# Altium PCB Proyecto_0-Buck_Up.PcbDoc (part 1 of 5) (continued)
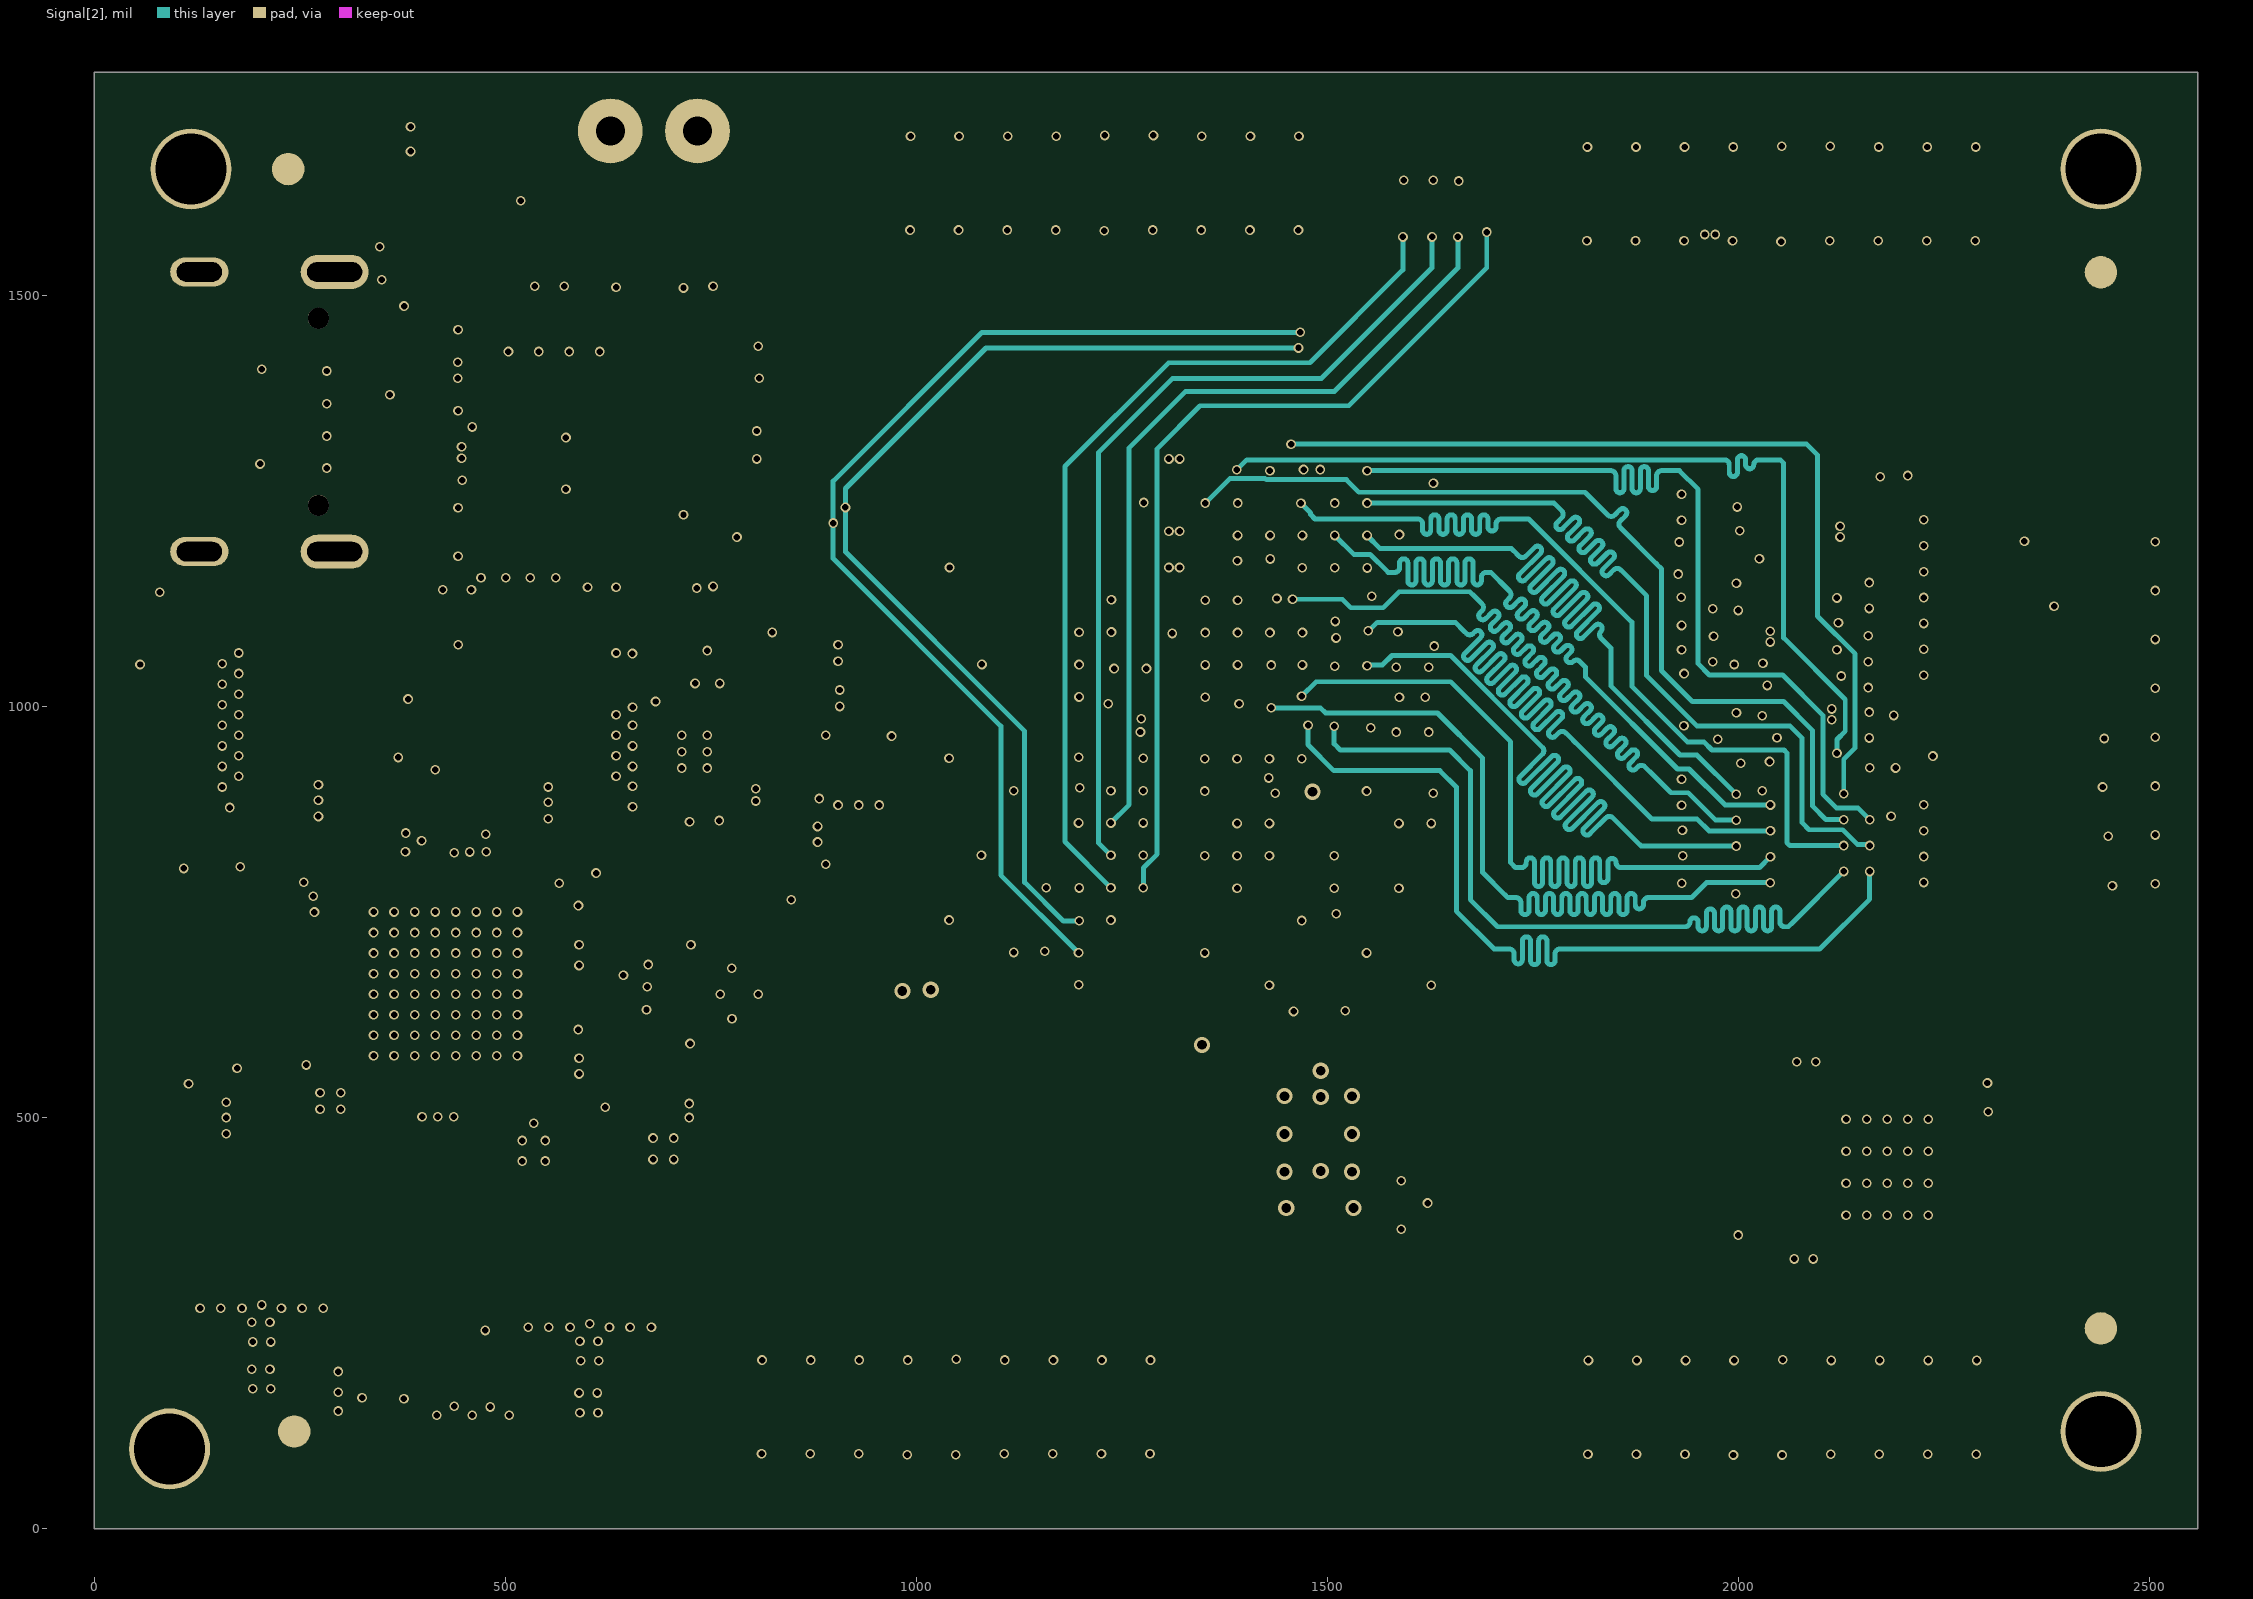
[diagram p7: Signal[2]]
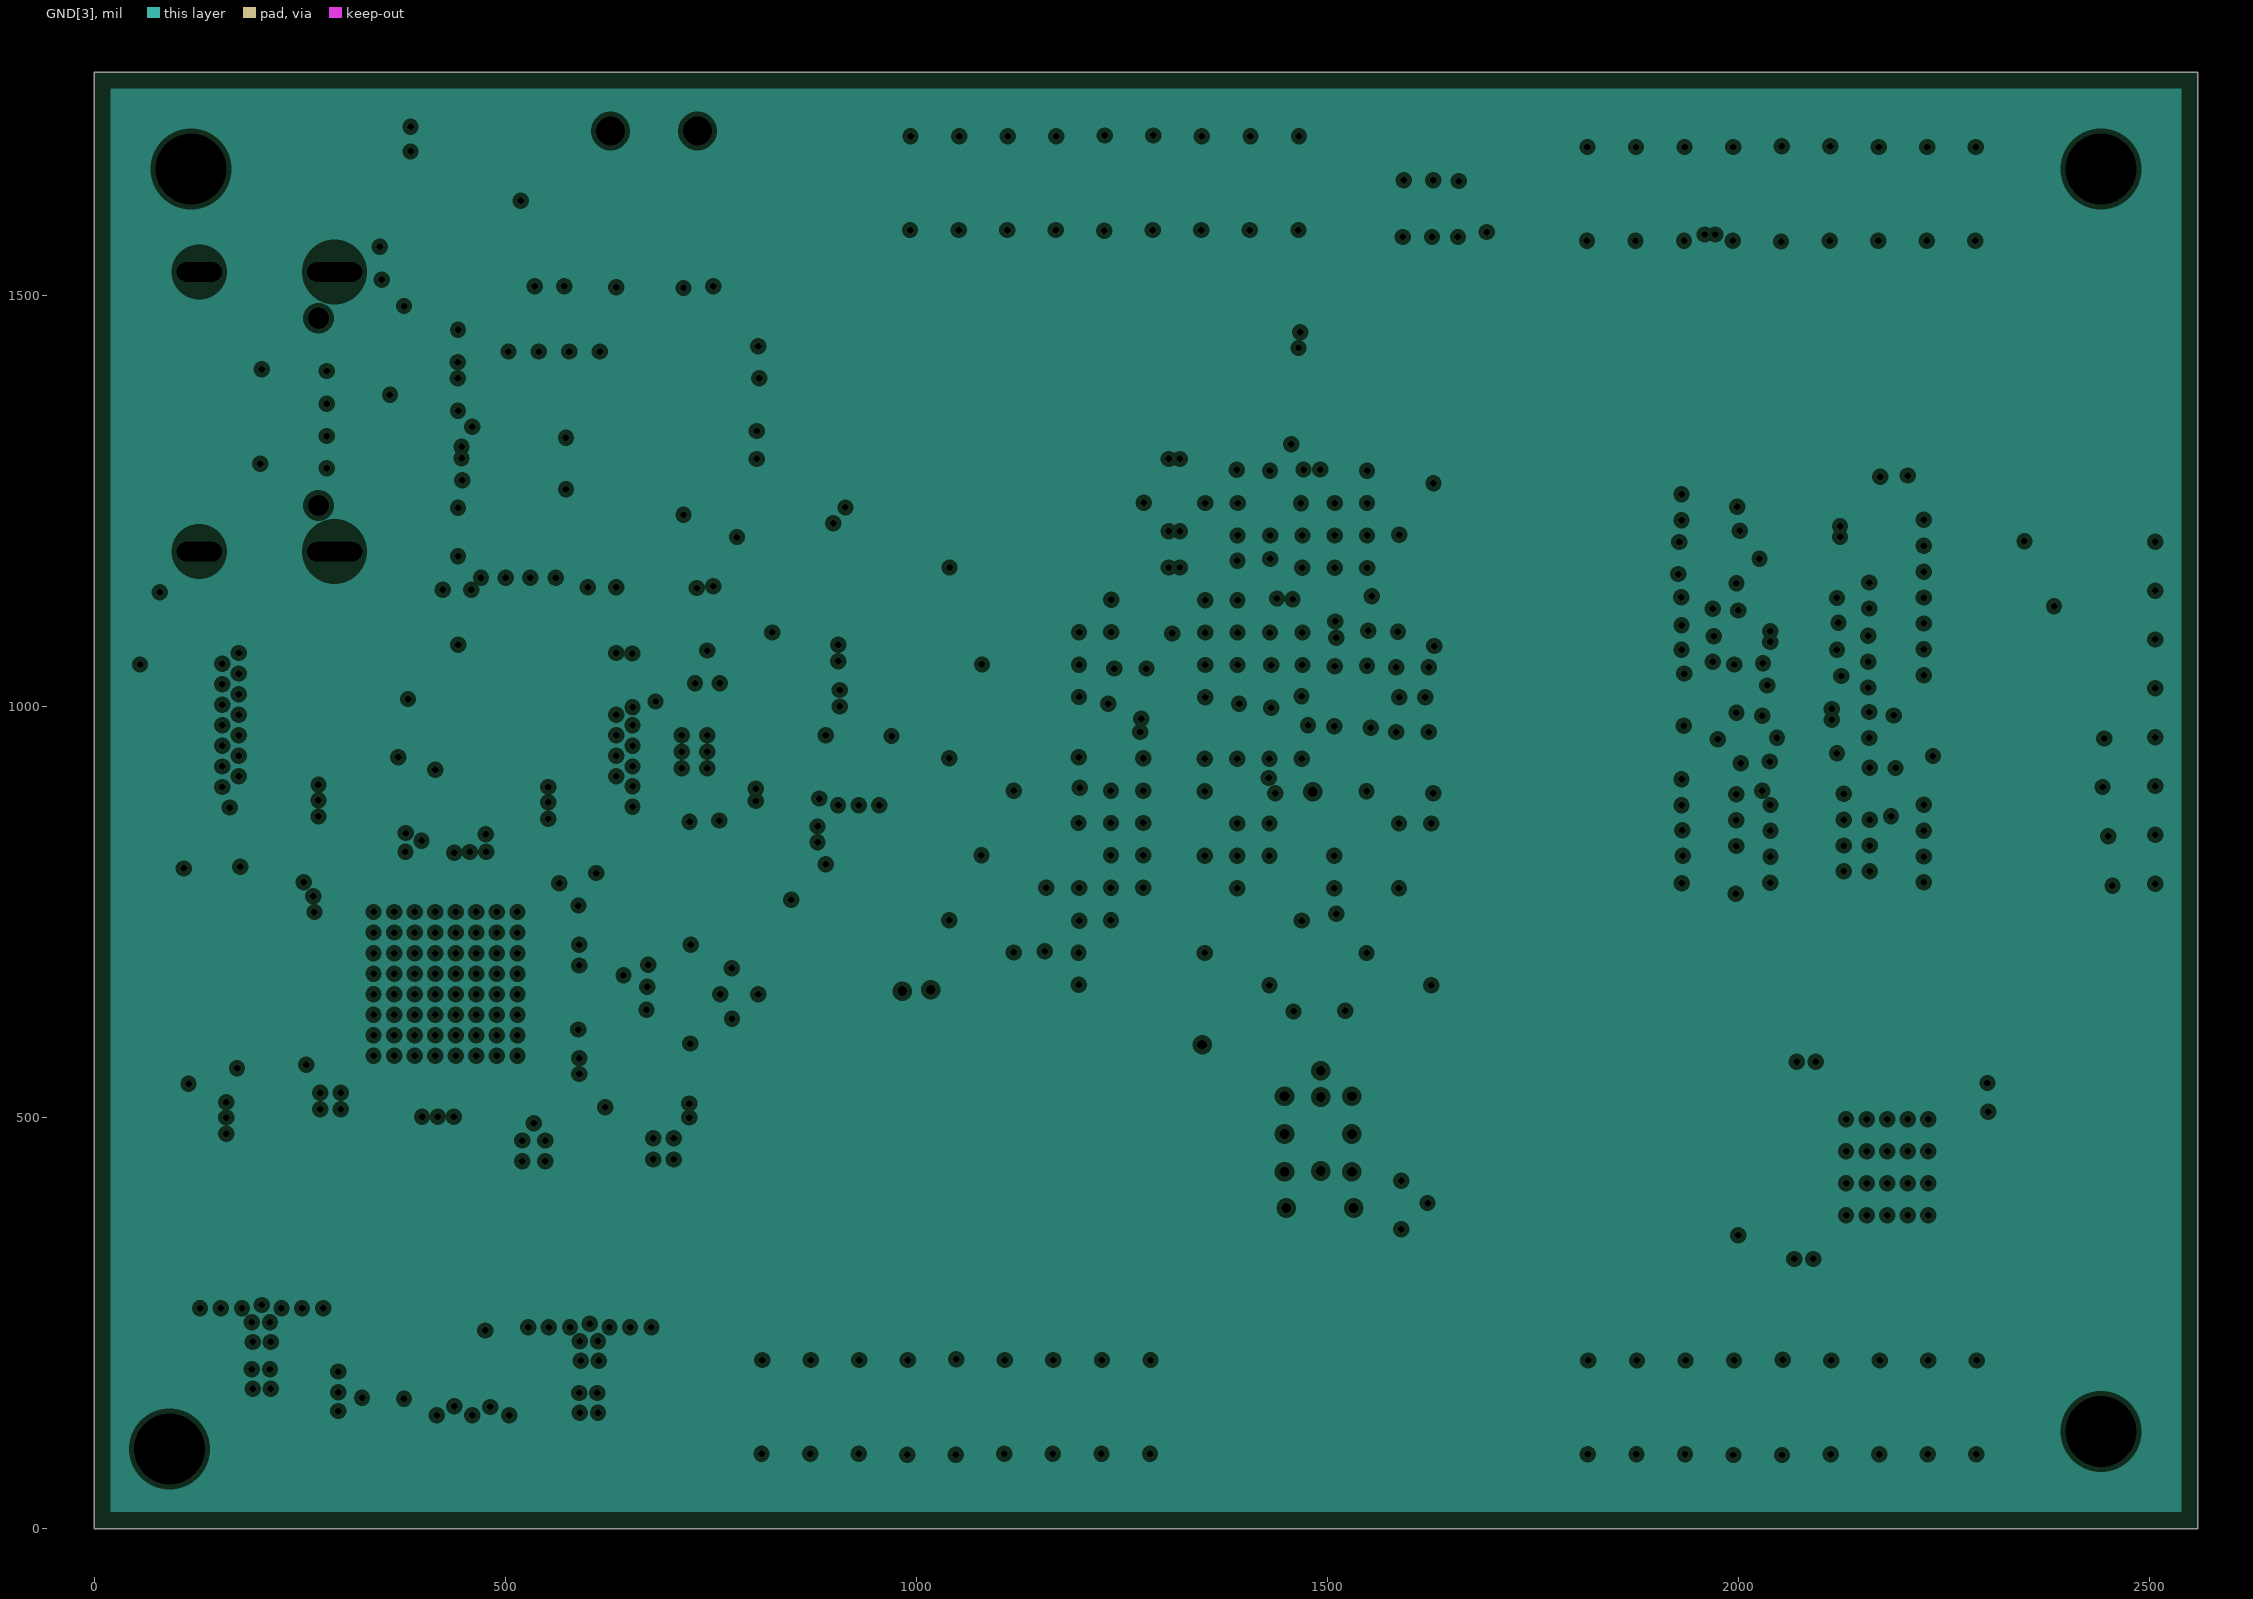
[diagram p8: GND[3], clearances drawn from the general rule]
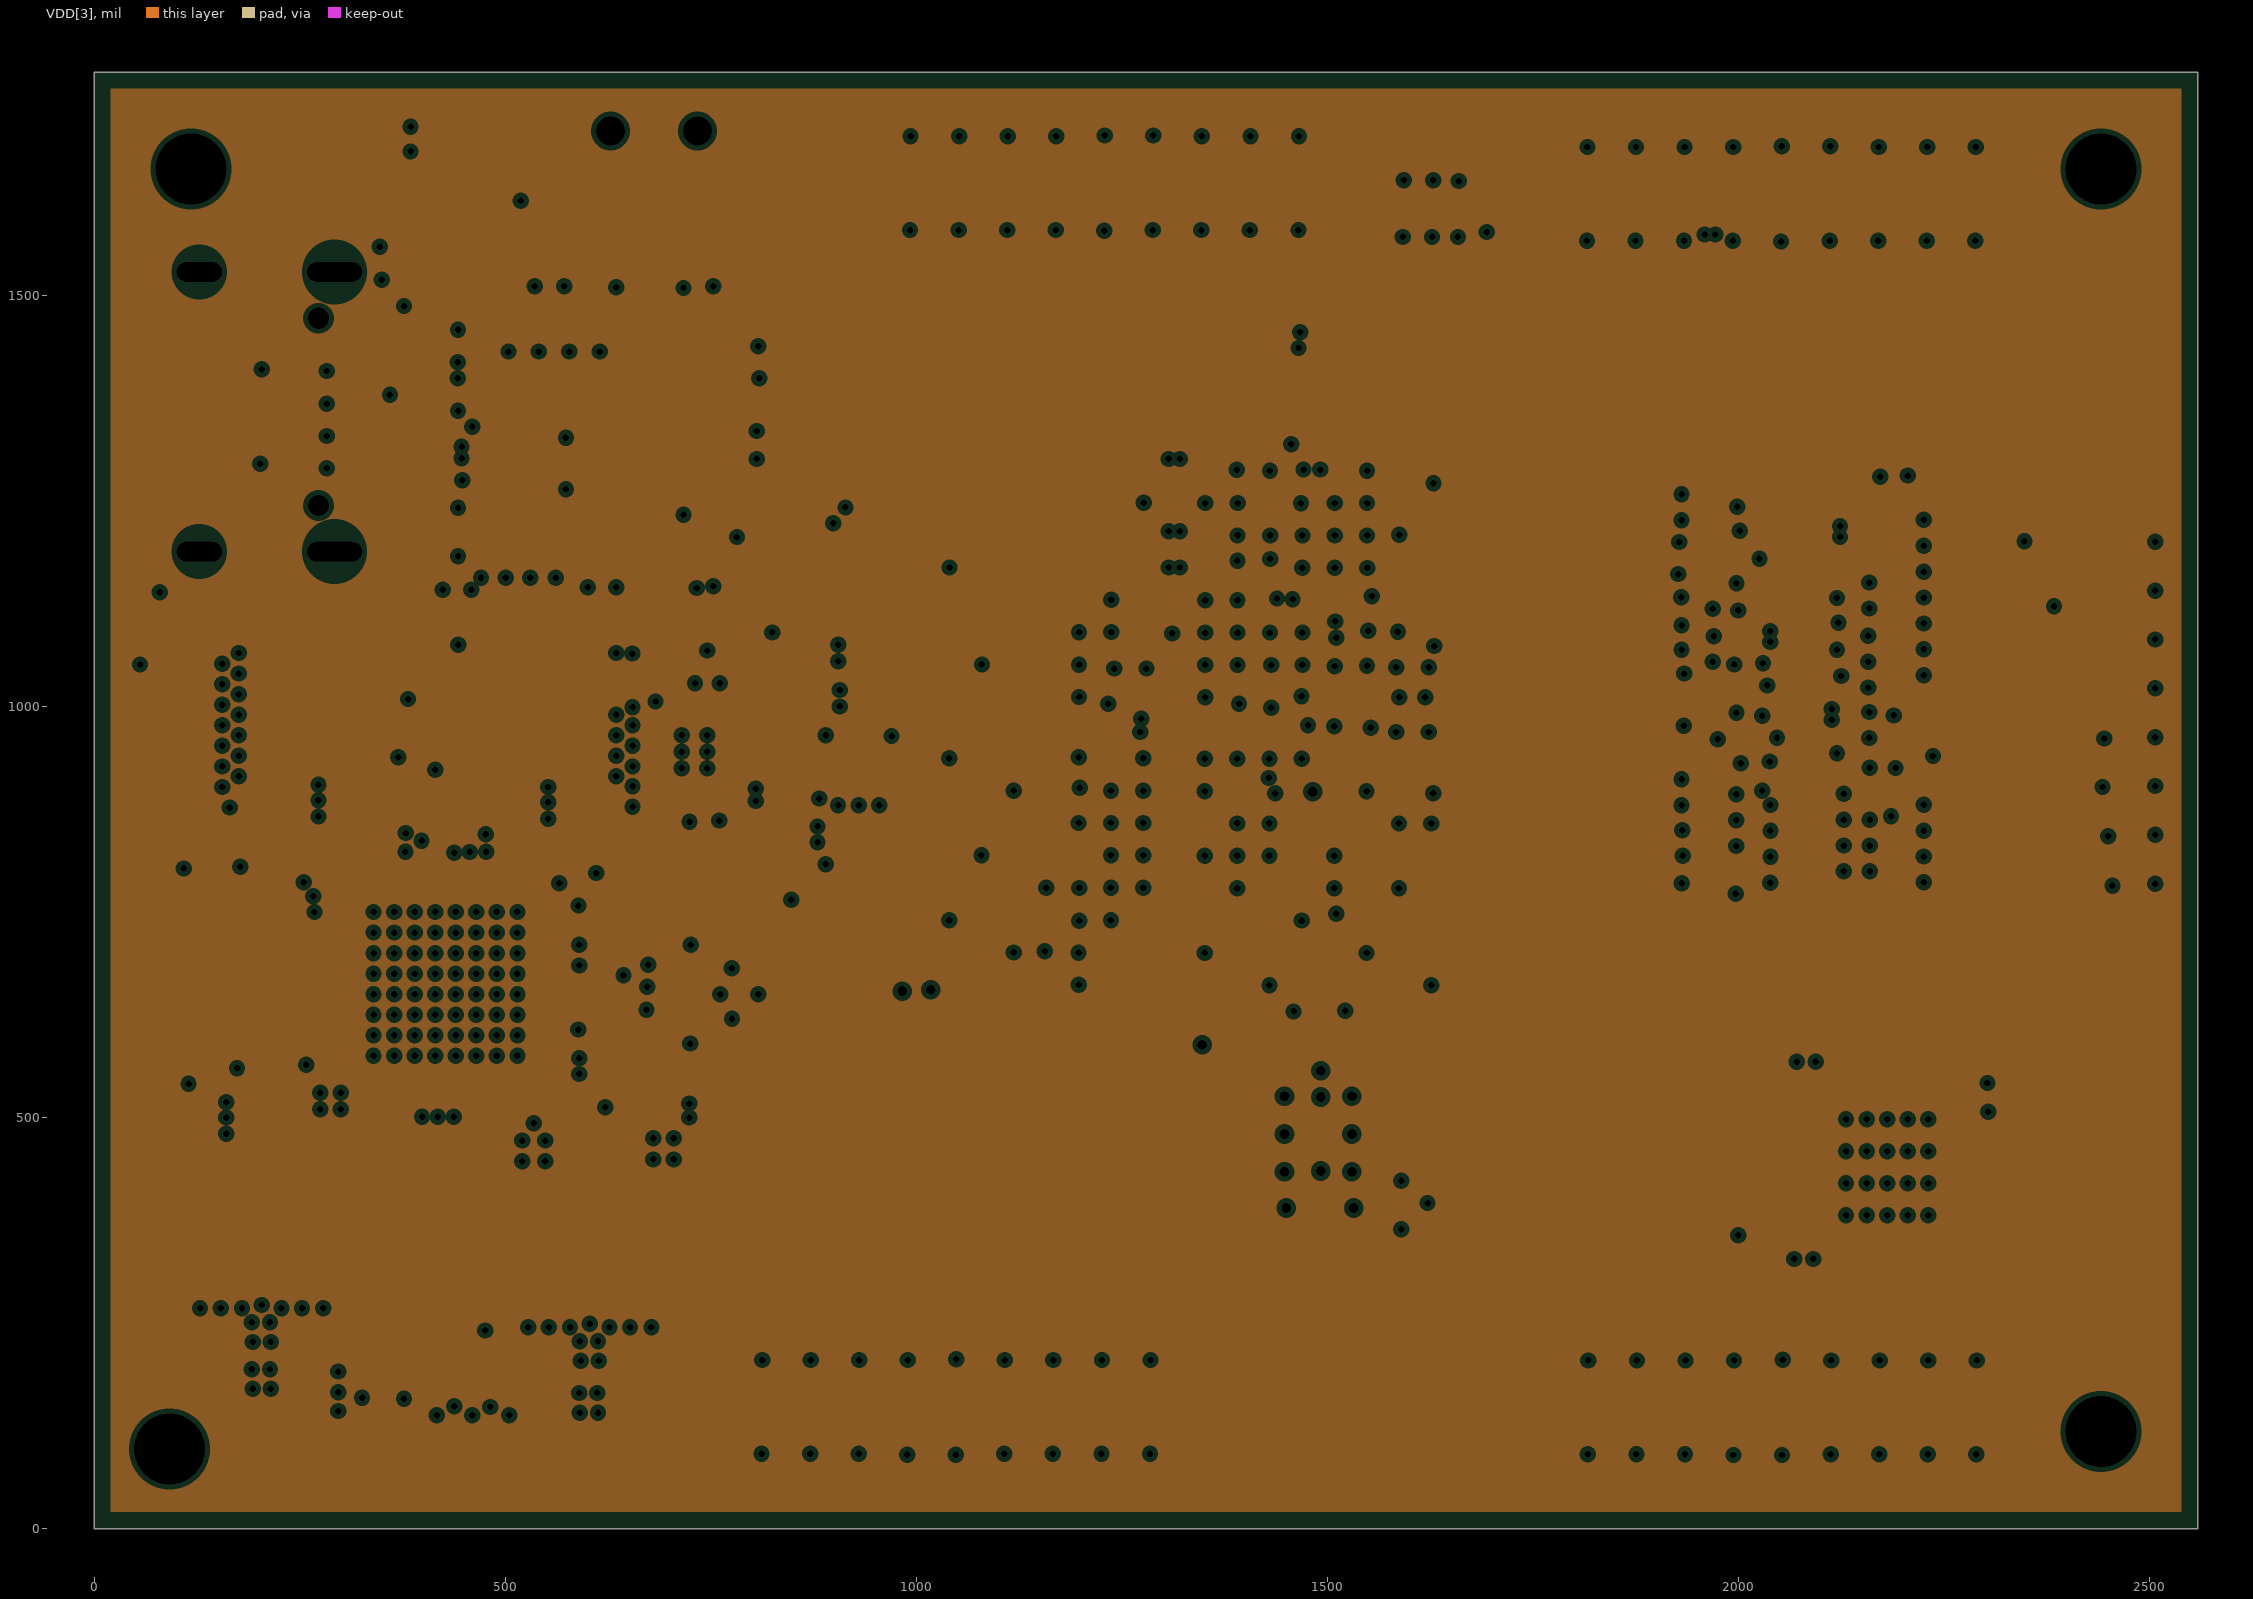
[diagram p9: VDD[3], clearances drawn from the general rule]

## Layer stack, top to bottom
Top Solder: solder mask 0.4, Solder Resist, Dk 3.5
TOP: signal copper 0.689
Dielectric 2: prepreg 4.055, PP-015, Dk 4.45
GND[1]: plane copper 1.378
Dielectric 3: core 9.055, PP-006, Dk 4.6
VDD[1]: plane copper 1.378
Dielectric 4: prepreg 7.717, PP-023, Dk 4.74
Signal[1]: signal copper 1.378
Dielectric 5: core 9.055, PP-006, Dk 4.6
GND[2]: plane copper 1.378
Dielectric 1: prepreg 7.717, PP-023, Dk 4.74
VDD[2]: plane copper 1.378
Dielectric 6: core 9.055, PP-006, Dk 4.6
Signal[2]: signal copper 1.378
Dielectric 7: prepreg 7.717, PP-023, Dk 4.74
GND[3]: plane copper 1.378
Dielectric 8: core 9.055, PP-006, Dk 4.6
VDD[3]: plane copper 1.378
Dielectric 9: prepreg 4.055, PP-015, Dk 4.45
Bottom Layer: signal copper 0.689
Bottom Solder: solder mask 0.4, Solder Resist, Dk 3.5

## Board outline
0,1614.17 0,1771.65 2559.06,1771.65 2559.06,0 0,0

## Design rules (kind name [scope] priority, off if disabled: settings)
Clearance [InNet('GND')] p1: gap=2 ignorepadtopadclearanceinfootprint=TRUE except(3: Via-Fill Via-Poly Via-Region)
Clearance "Schematic Clearance Constraint_25" [InNet('UDM')] p2: gap=20 ignorepadtopadclearanceinfootprint=TRUE
Clearance "Schematic Clearance Constraint_24" [InNet('R\A\S\')] p3: gap=20 ignorepadtopadclearanceinfootprint=FALSE
Clearance "Schematic Clearance Constraint_23" [InNet('W\E\')] p4: gap=20 ignorepadtopadclearanceinfootprint=FALSE
Clearance "Schematic Clearance Constraint_22" [InNet('LDM')] p5: gap=20 ignorepadtopadclearanceinfootprint=TRUE
Clearance "Schematic Clearance Constraint_21" [InNet('BA0')] p6: gap=2 ignorepadtopadclearanceinfootprint=FALSE
Clearance "Schematic Clearance Constraint_20" [InNet('ADD10')] p7: gap=2 ignorepadtopadclearanceinfootprint=FALSE
Clearance "Schematic Clearance Constraint_19" [InNet('ADD11')] p8: gap=2 ignorepadtopadclearanceinfootprint=FALSE
Clearance "Schematic Clearance Constraint_18" [InNet('BA2')] p9: gap=2 ignorepadtopadclearanceinfootprint=FALSE
Clearance "Schematic Clearance Constraint_17" [InNet('ADD14')] p10: gap=2 ignorepadtopadclearanceinfootprint=FALSE
Clearance "Schematic Clearance Constraint_16" [InNet('ADD4')] p11: gap=2 ignorepadtopadclearanceinfootprint=FALSE
Clearance "Schematic Clearance Constraint_15" [InNet('ADD5')] p12: gap=2 ignorepadtopadclearanceinfootprint=FALSE
Clearance "Schematic Clearance Constraint_14" [InNet('ADD6')] p13: gap=2 ignorepadtopadclearanceinfootprint=FALSE
Clearance "Schematic Clearance Constraint_12" [InNet('ADD7')] p14: gap=2 ignorepadtopadclearanceinfootprint=FALSE
Clearance "Schematic Clearance Constraint_11" [InNet('ADD0')] p15: gap=2 ignorepadtopadclearanceinfootprint=FALSE
Clearance "Schematic Clearance Constraint_10" [InNet('ADD1')] p16: gap=2 ignorepadtopadclearanceinfootprint=FALSE
Clearance "Schematic Clearance Constraint_9" [InNet('ADD2')] p17: gap=2 ignorepadtopadclearanceinfootprint=FALSE
Clearance "Schematic Clearance Constraint_8" [InNet('ADD3')] p18: gap=2 ignorepadtopadclearanceinfootprint=FALSE
Clearance "Schematic Clearance Constraint_7" [InNet('ADD8')] p19: gap=2 ignorepadtopadclearanceinfootprint=FALSE
Clearance "Schematic Clearance Constraint_6" [InNet('ADD9')] p20: gap=2 ignorepadtopadclearanceinfootprint=FALSE
Clearance "Schematic Clearance Constraint_5" [InNet('ADD12')] p21: gap=2 ignorepadtopadclearanceinfootprint=FALSE
Clearance "Schematic Clearance Constraint_3" [InNet('BA1')] p22: gap=2 ignorepadtopadclearanceinfootprint=FALSE
Clearance "Schematic Clearance Constraint_2" [InNet('ADD13')] p23: gap=2 ignorepadtopadclearanceinfootprint=FALSE
Clearance "Schematic Clearance Constraint_1" [InNetClass('DDR_DATA(8-15)')] p24: gap=2 ignorepadtopadclearanceinfootprint=TRUE
Clearance "Schematic Clearance Constraint" [InNetClass('DDR_DATA(0-7)')] p25: gap=2 ignorepadtopadclearanceinfootprint=TRUE
Clearance "Schematic Clearance Constraint_28" [InNet('D\D\R\_\R\E\S\E\T\')] p26: gap=2 ignorepadtopadclearanceinfootprint=TRUE
Clearance "Schematic Clearance Constraint_27" [InNet('ODT')] p27: gap=2 ignorepadtopadclearanceinfootprint=TRUE
Clearance "Schematic Clearance Constraint_13" [InNetClass('DDR_ADD/CMD')] p28: gap=2 ignorepadtopadclearanceinfootprint=TRUE
Clearance "Schematic Clearance Constraint_4" [InNet('C\S\')] p29: gap=2 ignorepadtopadclearanceinfootprint=TRUE
DiffPairsRouting 12MHz_XTAL [All] p1: maxlimit=10 minlimit=7 mostfreqgap=10 toplayer_maxgap=7 toplayer_prefgap=7 toplayer_minwidth=6 toplayer_maxwidth=6 toplayer_prefwidth=6 bottomlayer_maxgap=7 bottomlayer_prefgap=7 bottomlayer_minwidth=6 bottomlayer_maxwidth=6 bottomlayer_prefwidth=6 impedanceprofiledriven=TRUE impedanceprofileid={E70E592B-6717-4881-90EF-383EF7D50643} impedanceprofilevalue=100.000000 maxuncoupledlength=500
DiffPairsRouting "Schematic Differential Pairs Routing_2" [InNet('ADC_IN_N')] p2: maxlimit=10 minlimit=7 mostfreqgap=10 toplayer_maxgap=7 toplayer_prefgap=7 toplayer_minwidth=6 toplayer_maxwidth=6 toplayer_prefwidth=6 bottomlayer_maxgap=7 bottomlayer_prefgap=7 bottomlayer_minwidth=6 bottomlayer_maxwidth=6 bottomlayer_prefwidth=6 impedanceprofiledriven=TRUE impedanceprofileid={E70E592B-6717-4881-90EF-383EF7D50643} impedanceprofilevalue=100.000000 maxuncoupledlength=500
DiffPairsRouting "Schematic Differential Pairs Routing_1" [InNet('ADC_IN_P')] p3: maxlimit=10 minlimit=7 mostfreqgap=10 toplayer_maxgap=7 toplayer_prefgap=7 toplayer_minwidth=6 toplayer_maxwidth=6 toplayer_prefwidth=6 bottomlayer_maxgap=7 bottomlayer_prefgap=7 bottomlayer_minwidth=6 bottomlayer_maxwidth=6 bottomlayer_prefwidth=6 impedanceprofiledriven=TRUE impedanceprofileid={E70E592B-6717-4881-90EF-383EF7D50643} impedanceprofilevalue=100.000000 maxuncoupledlength=500
DiffPairsRouting "Schematic Differential Pairs Routing_62" [InNet('USB_DATA_P')] p4: maxlimit=10 minlimit=7 mostfreqgap=10 toplayer_maxgap=7 toplayer_prefgap=7 toplayer_minwidth=7 toplayer_maxwidth=7 toplayer_prefwidth=7 bottomlayer_maxgap=7 bottomlayer_prefgap=7 bottomlayer_minwidth=7 bottomlayer_maxwidth=7 bottomlayer_prefwidth=7 impedanceprofiledriven=TRUE impedanceprofileid={FE4D8C82-CC1B-473A-AE15-ED9870852D9E} impedanceprofilevalue=90.000000 maxuncoupledlength=500
DiffPairsRouting "Schematic Differential Pairs Routing_61" [InNet('IN_Filter_ADC_P')] p5: maxlimit=10 minlimit=7 mostfreqgap=10 toplayer_maxgap=7 toplayer_prefgap=7 toplayer_minwidth=6 toplayer_maxwidth=6 toplayer_prefwidth=6 bottomlayer_maxgap=7 bottomlayer_prefgap=7 bottomlayer_minwidth=6 bottomlayer_maxwidth=6 bottomlayer_prefwidth=6 impedanceprofiledriven=TRUE impedanceprofileid={E70E592B-6717-4881-90EF-383EF7D50643} impedanceprofilevalue=100.000000 maxuncoupledlength=500
DiffPairsRouting "Schematic Differential Pairs Routing_60" [InNet('IN_Filter_ADC_N')] p6: maxlimit=10 minlimit=7 mostfreqgap=10 toplayer_maxgap=7 toplayer_prefgap=7 toplayer_minwidth=6 toplayer_maxwidth=6 toplayer_prefwidth=6 bottomlayer_maxgap=7 bottomlayer_prefgap=7 bottomlayer_minwidth=6 bottomlayer_maxwidth=6 bottomlayer_prefwidth=6 impedanceprofiledriven=TRUE impedanceprofileid={E70E592B-6717-4881-90EF-383EF7D50643} impedanceprofilevalue=100.000000 maxuncoupledlength=500
DiffPairsRouting "Schematic Differential Pairs Routing_59" [InNet('USB_DATA_N')] p7: maxlimit=10 minlimit=7 mostfreqgap=10 toplayer_maxgap=7 toplayer_prefgap=7 toplayer_minwidth=7 toplayer_maxwidth=7 toplayer_prefwidth=7 bottomlayer_maxgap=7 bottomlayer_prefgap=7 bottomlayer_minwidth=7 bottomlayer_maxwidth=7 bottomlayer_prefwidth=7 impedanceprofiledriven=TRUE impedanceprofileid={FE4D8C82-CC1B-473A-AE15-ED9870852D9E} impedanceprofilevalue=90.000000 maxuncoupledlength=500
DiffPairsRouting "Schematic Differential Pairs Routing_58" [InNet('IN_Filter_ADC_P')] p8: maxlimit=10 minlimit=7 mostfreqgap=10 toplayer_maxgap=7 toplayer_prefgap=7 toplayer_minwidth=7 toplayer_maxwidth=7 toplayer_prefwidth=7 bottomlayer_maxgap=7 bottomlayer_prefgap=7 bottomlayer_minwidth=7 bottomlayer_maxwidth=7 bottomlayer_prefwidth=7 impedanceprofiledriven=TRUE impedanceprofileid={FE4D8C82-CC1B-473A-AE15-ED9870852D9E} impedanceprofilevalue=90.000000 maxuncoupledlength=500
DiffPairsRouting "Schematic Differential Pairs Routing_57" [InNet('IN_Filter_ADC_N')] p9: maxlimit=10 minlimit=7 mostfreqgap=10 toplayer_maxgap=7 toplayer_prefgap=7 toplayer_minwidth=7 toplayer_maxwidth=7 toplayer_prefwidth=7 bottomlayer_maxgap=7 bottomlayer_prefgap=7 bottomlayer_minwidth=7 bottomlayer_maxwidth=7 bottomlayer_prefwidth=7 impedanceprofiledriven=TRUE impedanceprofileid={FE4D8C82-CC1B-473A-AE15-ED9870852D9E} impedanceprofilevalue=90.000000 maxuncoupledlength=500
DiffPairsRouting "Schematic Differential Pairs Routing_55" [InNet('L12_P')] p10: maxlimit=10 minlimit=7 mostfreqgap=10 toplayer_maxgap=7 toplayer_prefgap=7 toplayer_minwidth=6 toplayer_maxwidth=6 toplayer_prefwidth=6 bottomlayer_maxgap=7 bottomlayer_prefgap=7 bottomlayer_minwidth=6 bottomlayer_maxwidth=6 bottomlayer_prefwidth=6 impedanceprofiledriven=TRUE impedanceprofileid={E70E592B-6717-4881-90EF-383EF7D50643} impedanceprofilevalue=100.000000 maxuncoupledlength=500
DiffPairsRouting "Schematic Differential Pairs Routing_54" [InNet('L22_P')] p11: maxlimit=10 minlimit=7 mostfreqgap=10 toplayer_maxgap=7 toplayer_prefgap=7 toplayer_minwidth=6 toplayer_maxwidth=6 toplayer_prefwidth=6 bottomlayer_maxgap=7 bottomlayer_prefgap=7 bottomlayer_minwidth=6 bottomlayer_maxwidth=6 bottomlayer_prefwidth=6 impedanceprofiledriven=TRUE impedanceprofileid={E70E592B-6717-4881-90EF-383EF7D50643} impedanceprofilevalue=100.000000 maxuncoupledlength=500
DiffPairsRouting "Schematic Differential Pairs Routing_53" [InNet('AD15_N')] p12: maxlimit=10 minlimit=7 mostfreqgap=10 toplayer_maxgap=7 toplayer_prefgap=7 toplayer_minwidth=6 toplayer_maxwidth=6 toplayer_prefwidth=6 bottomlayer_maxgap=7 bottomlayer_prefgap=7 bottomlayer_minwidth=6 bottomlayer_maxwidth=6 bottomlayer_prefwidth=6 impedanceprofiledriven=TRUE impedanceprofileid={E70E592B-6717-4881-90EF-383EF7D50643} impedanceprofilevalue=100.000000 maxuncoupledlength=500
DiffPairsRouting "Schematic Differential Pairs Routing_52" [InNet('AD15_P')] p13: maxlimit=10 minlimit=7 mostfreqgap=10 toplayer_maxgap=7 toplayer_prefgap=7 toplayer_minwidth=6 toplayer_maxwidth=6 toplayer_prefwidth=6 bottomlayer_maxgap=7 bottomlayer_prefgap=7 bottomlayer_minwidth=6 bottomlayer_maxwidth=6 bottomlayer_prefwidth=6 impedanceprofiledriven=TRUE impedanceprofileid={E70E592B-6717-4881-90EF-383EF7D50643} impedanceprofilevalue=100.000000 maxuncoupledlength=500
DiffPairsRouting "Schematic Differential Pairs Routing_51" [InNet('AD14_N')] p14: maxlimit=10 minlimit=7 mostfreqgap=10 toplayer_maxgap=7 toplayer_prefgap=7 toplayer_minwidth=6 toplayer_maxwidth=6 toplayer_prefwidth=6 bottomlayer_maxgap=7 bottomlayer_prefgap=7 bottomlayer_minwidth=6 bottomlayer_maxwidth=6 bottomlayer_prefwidth=6 impedanceprofiledriven=TRUE impedanceprofileid={E70E592B-6717-4881-90EF-383EF7D50643} impedanceprofilevalue=100.000000 maxuncoupledlength=500
DiffPairsRouting "Schematic Differential Pairs Routing_50" [InNet('AD14_P')] p15: maxlimit=10 minlimit=7 mostfreqgap=10 toplayer_maxgap=7 toplayer_prefgap=7 toplayer_minwidth=6 toplayer_maxwidth=6 toplayer_prefwidth=6 bottomlayer_maxgap=7 bottomlayer_prefgap=7 bottomlayer_minwidth=6 bottomlayer_maxwidth=6 bottomlayer_prefwidth=6 impedanceprofiledriven=TRUE impedanceprofileid={E70E592B-6717-4881-90EF-383EF7D50643} impedanceprofilevalue=100.000000 maxuncoupledlength=500
DiffPairsRouting "Schematic Differential Pairs Routing_49" [InNet('AD13_N')] p16: maxlimit=10 minlimit=7 mostfreqgap=10 toplayer_maxgap=7 toplayer_prefgap=7 toplayer_minwidth=6 toplayer_maxwidth=6 toplayer_prefwidth=6 bottomlayer_maxgap=7 bottomlayer_prefgap=7 bottomlayer_minwidth=6 bottomlayer_maxwidth=6 bottomlayer_prefwidth=6 impedanceprofiledriven=TRUE impedanceprofileid={E70E592B-6717-4881-90EF-383EF7D50643} impedanceprofilevalue=100.000000 maxuncoupledlength=500
DiffPairsRouting "Schematic Differential Pairs Routing_48" [InNet('AD13_P')] p17: maxlimit=10 minlimit=7 mostfreqgap=10 toplayer_maxgap=7 toplayer_prefgap=7 toplayer_minwidth=6 toplayer_maxwidth=6 toplayer_prefwidth=6 bottomlayer_maxgap=7 bottomlayer_prefgap=7 bottomlayer_minwidth=6 bottomlayer_maxwidth=6 bottomlayer_prefwidth=6 impedanceprofiledriven=TRUE impedanceprofileid={E70E592B-6717-4881-90EF-383EF7D50643} impedanceprofilevalue=100.000000 maxuncoupledlength=500